# Altium PCB MB1261.PcbDoc (part 2 of 6)
Units mil, origin at the board's own origin, x right, y up, seen from the top; angles counter-clockwise.
Board outline 5119.1 x 2638.79 mil, 6 copper layers (TOP, L2_GND, L3_SIG, L4_VCC, L5_GND, BOTTOM), stack 61 mil thick; 336 components, 316 nets, 1358 pads, 871 vias.
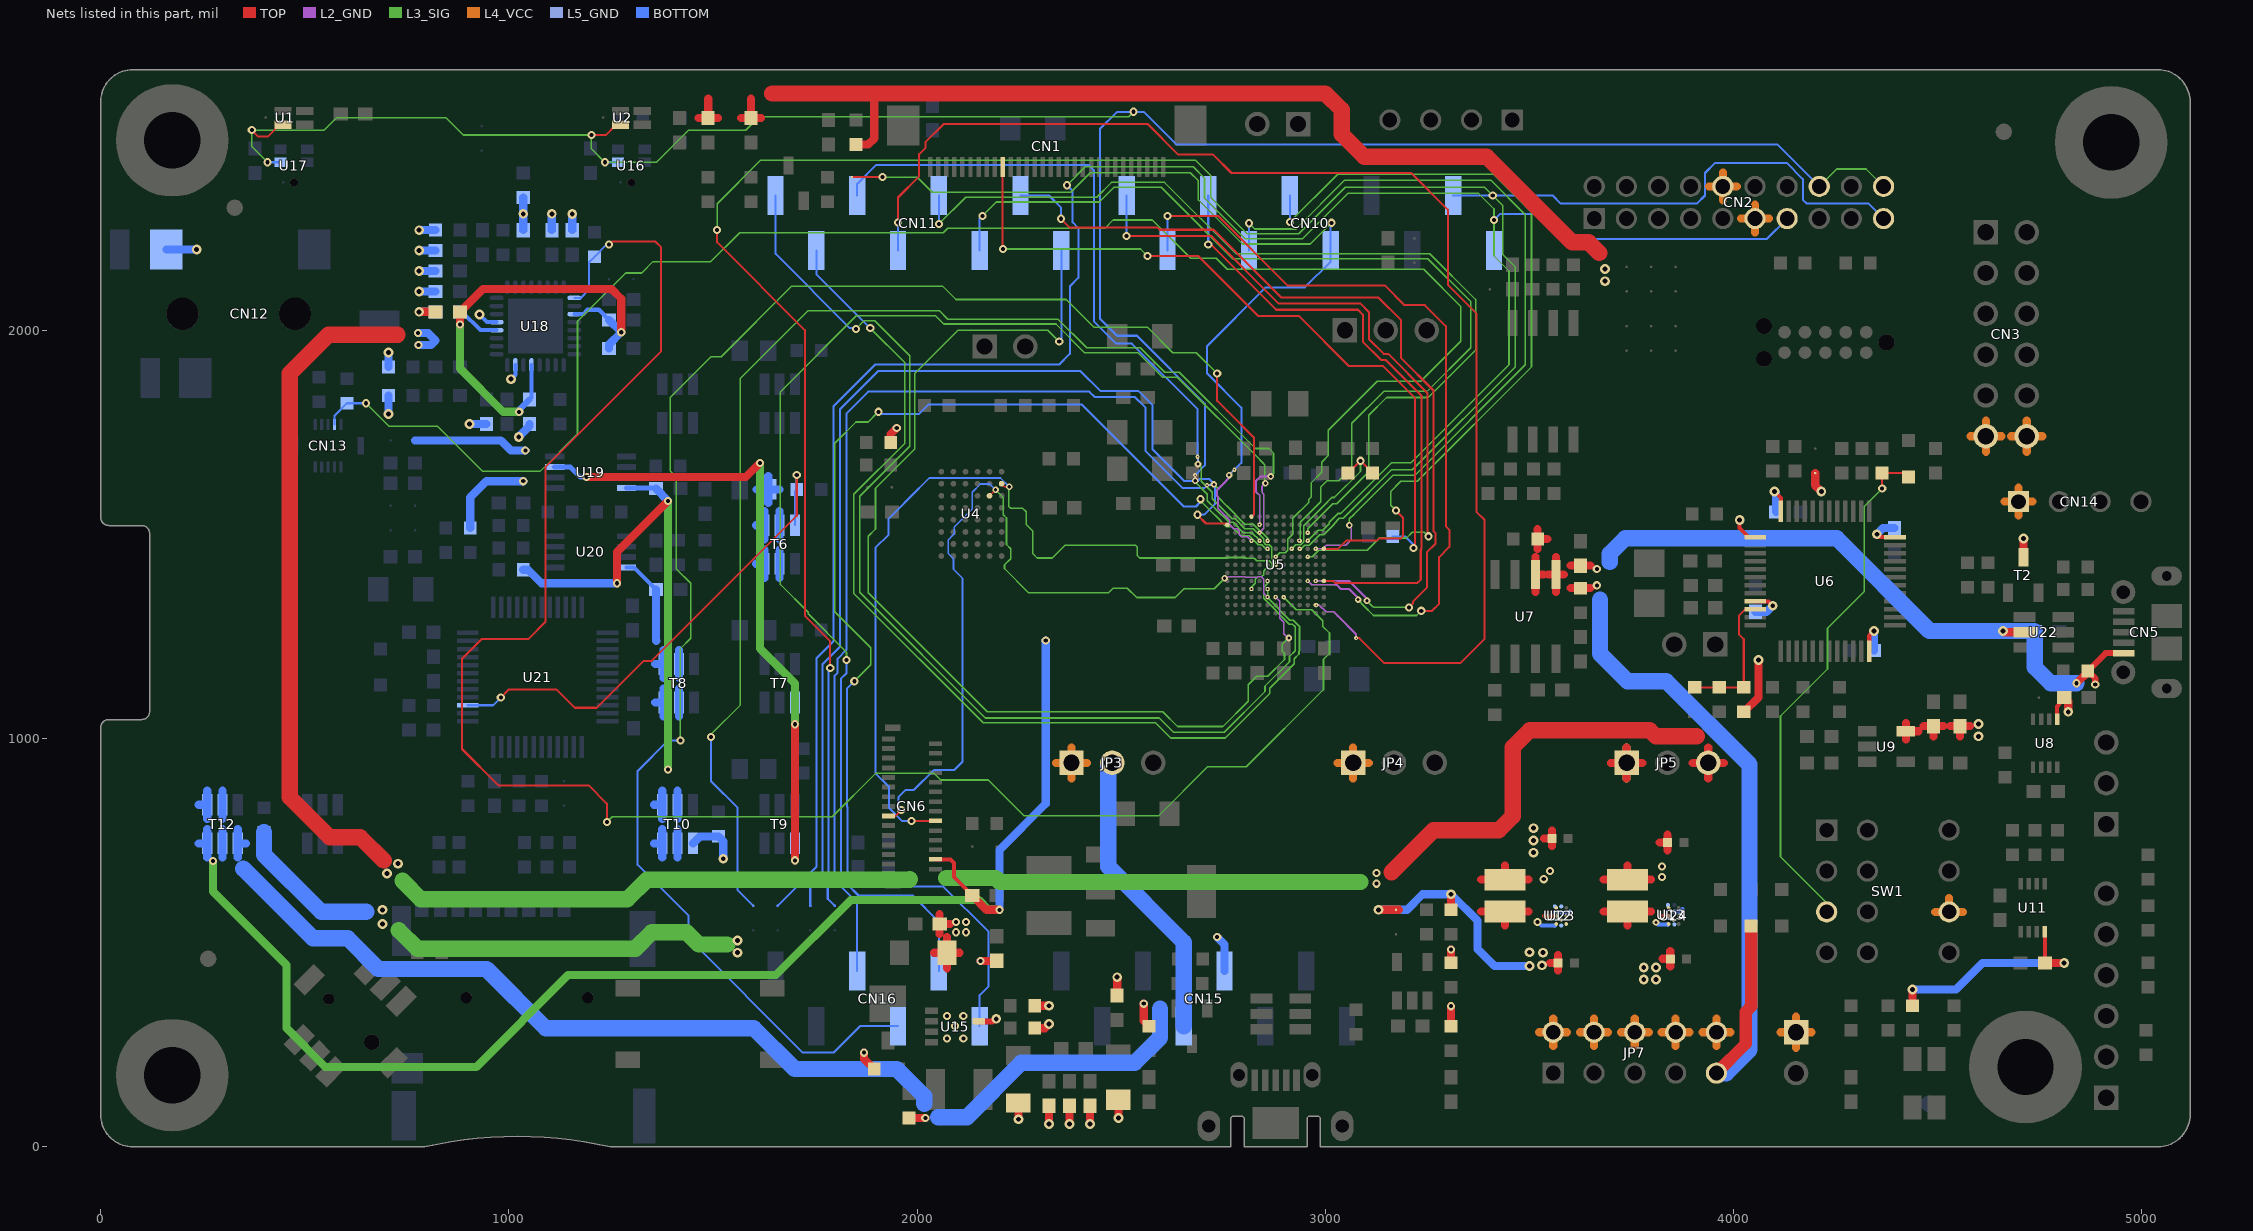
[diagram p6: the nets of this part, all layers, seen from the top]

## Footprints (in the part's own frame and the unit in brackets; to place one, negate y for a bottom-side part, rotate by r counter-clockwise, add the part's x,y. Pads: shape width x height; smd on the part's side, far side on the other; paste and mask are expansions set on the pad) (continued)
SOT23-6L [mil] "SOT23-6L"
  rect 25x53 smd: 1(-37.4,-47.24) 2(0,-47.24) 3(37.4,-47.24) 4(37.4,47.24) 5(0,47.24) 6(-37.4,47.24)
  silkscreen extent -75,-95 65,85, body extent -57,-75 57,75, height 150
SOT-23 [mil] "SOT-23"
  rect 25x45 smd: 1(-37.4,-43.31) 2(37.4,-43.31) 3(0,43.31)
  silkscreen extent -60,-35 60,35, body extent -60,-70 60,70, height 150
SOT-223 [mil] "SOT-223"
  rect 71x40 smd: 1(124.02,-90.55) 2(124.02,0) 3(124.02,90.55)
  rect 71x130 smd: 4(-124.02,0)
  silkscreen extent -75,-147 192,130, body extent -160,-128 160,128, height 150
SQT-110-01-F-D-RA [mil] "SQT-110-01-F-D-RA"
  rect 52x52 hole 36: 1(359.27,175)
  round 52 hole 36: 2(280.53,175) 3(201.79,175) 4(123.05,175) 5(44.31,175) 6(-34.43,175) 7(-113.17,175) 8(-191.91,175) 9(-270.65,175) 10(-349.39,175) 11(359.27,96.26) 12(280.53,96.26) 13(201.79,96.26) 14(123.05,96.26) 15(44.31,96.26) 16(-34.43,96.26) 17(-113.17,96.26) 18(-191.91,96.26) 19(-270.65,96.26) 20(-349.39,96.26)
  silkscreen extent -395,-204 405,186, body extent -402,-205 402,205, height 150
SSW-106-02-F-D-RA [mil] "SSW-106-02-F-D-RA"
  rect 60x60 / inner round 60 / far side rect 60x60 hole 40: 1(250,229.5)
  round 60 hole 40: 2(150,229.5) 3(50,229.5) 4(-50,229.5) 5(-150,229.5) 6(-250,229.5) 7(250,129.5) 8(150,129.5) 9(50,129.5) 10(-50,129.5) 11(-150,129.5) 12(-250,129.5)
  silkscreen extent -310,-266 320,243, body extent -310,-264 310,264, height 150
SSW-106-22-X-S-VS [mil] "SSW-106-22-X-S-VS"
  rect 40x95 smd: 1(250,67.5) 2(150,-67.5) 3(50,67.5) 4(-50,-67.5) 5(-150,67.5) 6(-250,-67.5)
  silkscreen extent -310,-47 310,149, body extent -310,-120 310,120, height 150
SSW-108-22-X-S-VS [mil] "SSW-108-22-X-S-VS"
  rect 40x95 smd: 1(350,67.5) 2(250,-67.5) 3(150,67.5) 4(50,-67.5) 5(-50,67.5) 6(-150,-67.5) 7(-250,67.5) 8(-350,-67.5)
  silkscreen extent -410,-47 414,152, body extent -410,-120 410,120, height 150
SSW-110-22-X-S-VS [mil] "SSW-110-22-X-S-VS"
  rect 40x95 smd: 1(450,67.5) 2(350,-67.5) 3(250,67.5) 4(150,-67.5) 5(50,67.5) 6(-50,-67.5) 7(-150,67.5) 8(-250,-67.5) 9(-350,67.5) 10(-450,-67.5)
  silkscreen extent -510,-47 510,153, body extent -510,-120 510,120, height 150
SW1_11R7X9R7-12R2X9R65-HDR_CPT [mil] "SW1_11R7X9R7-12R2X9R65-HDR_CPT"
  rect 52x52 hole 36: 1(-150,-150)
  round 52 hole 36: 2(-50,-150) 3(50,-150) 4(150,-150) 5(150,150) 6(50,150) 7(-50,150) 8(-150,150) " "(-150,-50) " "(-50,-50) " "(50,-50) " "(150,-50)
  TOP region: 24.02,-51.97 75.98,-51.97 75.98,151.97 24.02,151.97 24.02,-51.97
  TOP region: -75.98,-51.97 -24.02,-51.97 -24.02,151.97 -75.98,151.97 -75.98,-51.97
  TOP region: -175.98,-51.97 -124.02,-51.97 -124.02,151.97 -175.98,151.97 -175.98,-51.97
  TOP region: 124.02,-51.97 175.98,-51.97 175.98,151.97 124.02,151.97 124.02,-51.97
  silkscreen extent -240,-231 240,191, body extent -240,-191 240,191, height 150
TAN-A [mil] "TAN-A"
  rect 50x60 smd: 1(55,0) 2(-55,0)
  silkscreen extent -95,-45 105,45
TAN-B [mil] "TAN-B"
  rect 59x110 smd: 1(-67.5,0) 2(67.5,0)
  silkscreen extent -130,-65 110,65, body extent -100,-55 100,55, height 150
TC2050-IDC-NL [mil] "TC2050-IDC-NL"
  round 31 smd paste-50: 1(-100.2,-25) 2(-50.2,-25) 3(-0.2,-25) 4(49.8,-25) 5(99.8,-25) 6(99.8,25) 7(49.8,25) 8(-0.2,25) 9(-50.2,25) 10(-100.2,25)
  round 39 hole 39 unplated: " "(-150.2,0) " "(149.8,-39.96) " "(149.8,39.96)
  TOP pour cut-out: -100.2,18.9 -100.2,-14.9 99.8,-14.9 99.8,18.9 -100.2,18.9
  Multi-Layer pour cut-out: -150.2,-35.43 -163.76,-32.73 -175.25,-25.05 -182.93,-13.56 -185.63,0 -185.63,0 -182.93,13.56 -175.25,25.05 -163.76,32.73 -150.2,35.43 -150.2,35.43 -136.64,32.73 -125.15,25.05 -117.47,13.56 -114.77,0 -114.77,0 -117.47,-13.56 -125.15,-25.05 -136.64,-32.73 -150.2,-35.43
  Multi-Layer pour cut-out: 149.8,4.53 136.24,7.23 124.75,14.91 117.07,26.4 114.37,39.96 114.37,39.96 117.07,53.52 124.75,65.01 136.24,72.69 149.8,75.39 149.8,75.39 163.36,72.69 174.85,65.01 182.53,53.52 185.23,39.96 185.23,39.96 182.53,26.4 174.85,14.91 163.36,7.23 149.8,4.53
  Multi-Layer pour cut-out: 149.8,-75.39 136.24,-72.69 124.75,-65.01 117.07,-53.52 114.37,-39.96 114.37,-39.96 117.07,-26.4 124.75,-14.91 136.24,-7.23 149.8,-4.53 149.8,-4.53 163.36,-7.23 174.85,-14.91 182.53,-26.4 185.23,-39.96 185.23,-39.96 182.53,-53.52 174.85,-65.01 163.36,-72.69 149.8,-75.39
  silkscreen extent -245,-132 245,133, body extent -245,-133 245,133, height 150
USOP8_0R5_2X3R1 [mil] "USOP8_0R5_2X3R1"
  rect 11x28 smd mask+2: 1(-29.53,-59.06) 2(-9.84,-59.06) 3(9.84,-59.06) 4(29.53,-59.06) 5(29.53,59.06) 6(9.84,59.06) 7(-9.84,59.06) 8(-29.53,59.06)
  silkscreen extent -47,-106 40,30, body extent -40,-75 40,75, height 150
XTAL_2SM_3R2X1R5 [mil] "XTAL_2SM_3R2X1R5"
  rect 51x63 smd: 1(-45.78,-1) 2(44.78,-1)
  silkscreen extent -86,-46 84,44, body extent -72,-31 72,31, height 150
XTAL_2SM_3R2X2R5 [mil] "XTAL_2SM_3R2X2R5"
  rect 67x75 smd: 1(-49.21,0) 2(49.21,0)
  silkscreen extent -63,-49 63,49, body extent -85,-50 85,50, height 150

## Part data
B1: library part "SW PUSHBUTTON", "SE Push Button TD-0341 [RESET/Black]", Manuf_1=Chau-hua, Manuf_2=wealthmetal, Manuf_Part_1=CTSM-644N-V-T/R, Assembly="with Back cap", ECCN_US/EU=NA, Manuf_Part_2=TD-0341X-A00, Ordered by=Subcon, Silkscreen=RESET
B2: library part MT-008A, "Joystick", Manuf_1=XIEJIA, Assembly="with button", ECCN_US/EU=NA, Manuf_Part_1=MT008-A, Ordered by=Subcon, Silkscreen=Joystick
C1 C2 C4 C5 C7 C10 C12 C14 C15 C16 C17 C18 C21 C22 C24 C25 C26 C27 C28 C29 C30 C31 C33 C34 C44 C46 C51 C58 C59 C60 C66 C71 C72 C73 C80 C81 C82 C83 C85 C86 C87 C88 C89 C90 C92 C93 C94 C95 C96 C97 C98 C101 C102 C103 C104 C105: library part Cap, "Capacitor,100nF,10%,16V,X7R,0603,YAGEO", Manuf_1=YAGEO, Manuf_Part_1=CC0603KRX7R7BB104, Ordered by=Subcon, Published=8-Jun-2000, Publisher="Altium Limited", Revision="July-2002: Re-released for DXP Platform."
C3 C62 C63 C99: library part Cap, "Capacitor,100nF,10%,16V,X7R,0603,YAGEO", Manuf_1=YAGEO, Manuf_Part_1=CC0603KRX7R7BB104, Ordered by=Subcon, Published=8-Jun-2000, Publisher="Altium Limited", Revision="July-2002: Re-released for DXP Platform."
C6: library part "Cap Pol1", "TAN Capacitor,4.7uF,10%,16V,A Type,AVX", Manuf_1=AVX, ECCN_US/EU=NA, Manuf_Part_1=TAJA475K016R, Ordered by=Subcon, Published=8-Jun-2000, Publisher="Altium Limited", Revision="July-2002: Re-released for DXP Platform."
C8 C13 C91 C100: library part "Cap Pol1", "Tan Capacitor,1uF,10%,16V,Tan-A,TAJA105K016R", Manuf_1=AVX, ECCN_US/EU=NA, Manuf_Part_1=TAJA105K016R, Ordered by=Subcon, Published=8-Jun-2000, Publisher="Altium Limited", Revision="July-2002: Re-released for DXP Platform."
C9 C11: library part Cap, "Capacitor,5.6pF,0.25P,50V,NPO,0603", Manuf_1=YAGEO, Ordered by=Subcon, Published=8-Jun-2000, Publisher="Altium Limited", Revision="July-2002: Re-released for DXP Platform."
C19 C32 C35 C67 C69 C70 C74 C77 C78 C79 C84: library part Cap, "Capacitor,1uF,0603,16V,10%,X5R,YAGEO", Manuf_1=YAGEO, Manuf_Part_1=CC0603KRX5R7BB105, Ordered by=Subcon, Published=8-Jun-2000, Publisher="Altium Limited", Revision="July-2002: Re-released for DXP Platform."
C20 C23: library part Cap, "Capacitor,10pF,5%,50V,NPO,0603,YAGEO", Manuf_1=YAGEO, Manuf_Part_1=CC0603JRNPO9BN100, Ordered by=Subcon, Published=8-Jun-2000, Publisher="Altium Limited", Revision="July-2002: Re-released for DXP Platform."
C36 C47 C57: library part Cap, "Capacitor,10nF,0603,50V,10%,X7R,YAGEO;", Manuf_1=YAGEO, Manuf_Part_1=CC0603KRX7R9BB103, Ordered by=Subcon, Published=8-Jun-2000, Publisher="Altium Limited", Revision="July-2002: Re-released for DXP Platform."
C37 C55 C61: library part "Cap Pol1", "TAN Capacitor,10uF,10%,16V,A Type,AVX", Manuf_1=AVX, ECCN_US/EU=NA, Manuf_Part_1=TAJA106K016R, Ordered by=Subcon, Published=8-Jun-2000, Publisher="Altium Limited", Revision="July-2002: Re-released for DXP Platform."
C40 C41 C42 C43: library part Cap, "Capacitor,10uF,0402,GRM155R60J106ME11", Manuf_1=Murata, Manuf_Part_1=GRM155R60J106ME11, Ordered by=Subcon, Published=8-Jun-2000, Publisher="Altium Limited", Revision="July-2002: Re-released for DXP Platform."
C45: library part "Cap Pol1", "Tan Capacitor,10uF,10%,25V,Tan-B,TAJB106K025RNJ", Manuf_1=AVX, ECCN_US/EU=NA, Manuf_Part_1=TAJB106K025RNJ, Ordered by=Subcon, Published=8-Jun-2000, Publisher="Altium Limited", Revision="July-2002: Re-released for DXP Platform."
C48: library part CAP, "Capacitor,4.7uF,50V,X7R,10%,1206", Manuf_1=YAGEO, ECCN_US/EU=NA, Manuf_Part_1=CC1206KKX7R9BB475, Ordered by=Subcon, Published=8-Jun-2000, Publisher="Altium Limited", Revision="July-2002: Re-released for DXP Platform."
C54: library part Cap, "Capacitor,4.7uF,16V, X5R,10%,0603", Manuf_1=YAGEO, Manuf_Part_1=CC0603KRX5R7BB475, Ordered by=Subcon, Published=8-Jun-2000, Publisher="Altium Limited", Revision="July-2002: Re-released for DXP Platform."
C56: library part "Cap Pol1", "Capacitor,4.7uF,±10%,X7R,10V,1206,GRM31CR71A475KA01L", Manuf_1=Murata, ECCN_US/EU=NA, Manuf_Part_1=GRM31CR71A475KA01L, Ordered by=Subcon, Published=8-Jun-2000, Publisher="Altium Limited", Revision="July-2002: Re-released for DXP Platform."
C64 C65: library part Cap, "Capacitor,150pF,0603,50V,5%,NPO", Manuf_1=YAGEO, ECCN_US/EU=NA, Manuf_Part_1=CC0603JRNPO9BN151, Ordered by=Subcon, Published=8-Jun-2000, Publisher="Altium Limited", Revision="July-2002: Re-released for DXP Platform."
C68: library part Cap, "Capacitor,10uF,10%,10V,X5R,0603,C1608X5R1A106KT000E", Manuf_1=TDK, ECCN_US/EU=NA, Manuf_Part_1=C1608X5R1A106KT000E, Ordered by=Subcon, Published=8-Jun-2000, Publisher="Altium Limited", Revision="July-2002: Re-released for DXP Platform."
C75 C76: library part Cap, "Capacitor,22nF,10%,25V,X7R,0603", Manuf_1=YAGEO, ECCN_US/EU=NA, Manuf_Part_1=CC0603KRX7R8BB223, Ordered by=Subcon, Published=8-Jun-2000, Publisher="Altium Limited", Revision="July-2002: Re-released for DXP Platform."
CN1: "TOWNES -  Connector FFC/FPC ZIF 0.5mm 30 pins, Lower Contacts", Manuf_1=TOWNES, Manuf_Part_2=TFP-A330ZH-BT1-ECX, Distrib="Sub Co", ECCN_US/EU=n/a, Manuf_2=TOWNES, Manuf_Part_1=FPU330ZH-BT1D3-CA, Ordered by=Subcon
CN2: library part "Header 10X2A", "Header, 10-Pin, Dual row", Manuf_1=ATOM, Manuf_Part_1=FH200210C-12000, Ordered by=Subcon
CN3: library part "Header 6X2A", "Header, 6-Pin, Dual row", Manuf_1=ATOM, Manuf_Part_1=FH254206C-1600, Ordered by=Subcon
CN4: "Footprint for TC2050-IDC-430 plug of nails (TM) cable for MP430", Manuf_1=None, Manuf_Part_1=None, Revision="17-Jul-2002: Re-released for DXP Platform."
CN5 CN8: Manuf_1=MOLEX, ECCN_US/EU=NA, Ordered by=Subcon
  CN5: Manuf_Part_1=1050170001, Silkscreen=USB
  CN8: Manuf_Part_1=475900001, Silkscreen=USB_USER
CN6: "29pins FPC connector", Manuf_1=Hirose, ECCN_US/EU=NA, Manuf_Part_1=FH26-29S-0.3SHW, Ordered by=Subcon
CN7: library part "Header 6", "Header, 6-Pin", Manuf_1=lyconn, ECCN_US/EU=NA, LatestRevisionDate=17-Jul-2002, LatestRevisionNote="Re-released for DXP Platform.", Manuf_Part_1=313106S111116, Ordered by=Subcon, Publisher="Altium Limited", Silkscreen=SWD
CN9 CN14: library part "Header 4", "Header, 4-Pin", ECCN_US/EU=[N/A], Publisher="Altium Limited", Revision="17-Jul-2002: Re-released for DXP Platform.", SOFER_FP=HDR_1X4_2R54
  CN9: Ordered by=Subcon
CN10: library part "Header 10X1_Female", "Header, 10-Pin, Single row,female", Manuf_1=SAMTEC, ECCN_US/EU=NA, LatestRevisionDate=17-Jul-2002, LatestRevisionNote="Re-released for DXP Platform.", Manuf_Part_1=SSW-110-22-X-S-VS, Ordered by=Subcon, Publisher="Altium Limited"
CN11 CN15: library part "Header 8X1_Female", "Header, 8-Pin, Single row,female", Manuf_1=SAMTEC, ECCN_US/EU=NA, LatestRevisionDate=17-Jul-2002, LatestRevisionNote="Re-released for DXP Platform.", Manuf_Part_1=SSW-108-22-X-S-VS, Ordered by=Subcon, Publisher="Altium Limited"
CN12: Manuf_1=QIAOD, ECCN_US/EU=NA, Manuf_Part_1=PJ3028B-3, Ordered by=Subcon, Silkscreen=AUDIO_JACK
CN13: library part "Header 5X2A", "Header, 5-Pin, Dual row", Manuf_1=Hirose, ECCN_US/EU=NA, LatestRevisionDate=17-Jul-2002, LatestRevisionNote="Re-released for DXP Platform.", Manuf_Part_1="DF37NB-10DS-0.4V (5x)", Ordered by=Subcon, Publisher="Altium Limited"
CN16: library part "Header 6X1_Female", "Header, 6-Pin, Single row,female", Manuf_1=SAMTEC, ECCN_US/EU=NA, LatestRevisionDate=17-Jul-2002, LatestRevisionNote="Re-released for DXP Platform.", Manuf_Part_1=SSW-106-22-X-S-VS, Ordered by=Subcon, Publisher="Altium Limited"
CN17: library part SMS016AFA5E, Manuf_1=Yamaichi, ECCN_US/EU=NA, Manuf_Part_1=PJS008-2000, Ordered by=Subcon, Silkscreen=uSD
D1 D3 D6 U22: Manuf_1=STM, Ordered by=STM
  D1 D3 D6: Distrib=ST, ECCN_US/EU=EAR99/NEC, Manuf_Part_1=BAT60JFILM, Order=BAT60JFILM, Provided=STM, Ref St=9151097, Revision="July-2002: Re-released for DXP Platform."
  U22: Manuf_Part_1=USBLC6-2SC6
D2 D4: library part BAT60JFILM, "BAT60JFILM", Manuf_1=STM, ECCN_US/EU=EAR99/NEC, Manuf_Part_1=BAT60JFILM, Order=BAT60JFILM, Ordered by=STM, Provided=STM, Ref St=9151097, Revision="July-2002: Re-released for DXP Platform."
  D2: Distrib=ST
  D4: Distrib=STM
D5: "4-line ESD protection", Manuf_1=STM, Manuf_Part_1=ESDA5V3L, Distrib=ST, ECCN_US/EU=EAR99/NEC, Order=ESDA5V3L, Ordered by=STM, Provided=ST, Ref St=9179034
JP1: library part JP2, "2 PIN Jumper", Manuf_1=lyconn, Manuf_Part_1=313102S111116, Assembly="with jumper", ECCN_US/EU=[N/A], Ordered by=Subcon
JP2: library part Jumper3, "Jumper 3 pins", Manuf_1=lyconn, Manuf_Part_1=313103S111116, ECCN_US/EU=n/a, Ordered by=Subcon
JP3 JP5 JP6: library part Jumper3, Manuf_1=lyconn, Manuf_Part_1=313103S111116, Ordered by=Subcon
  JP3 JP5: ECCN_US/EU=NA, Silkscreen="+3V3: pins 1&2 +1V8: pins 2&3"
JP4: Manuf_1=lyconn, Manuf_Part_1=313103S111116, ECCN_US/EU=NA, Ordered by=Subcon
JP7: library part "Header 5X2M", "Pin Header male,2.54mm,2*5,L=11.6,180,1U,DIP", Manuf_1=Lyconn, Distrib="Sub Co", ECCN_US/EU=n/a, Ordered by=Subcon, SOFER_FP=HDR_2X5_2R54
JP8 JP9 JP10: library part JP2, Manuf_1=lyconn, Manuf_Part_1=313102S111116, Assembly="with jumper", ECCN_US/EU=NA, Ordered by=Subcon
L1 L4 L5 L6: library part Inductor, "100uH Bead", Manuf_1=Tai-tech, ECCN_US/EU=NA, Manuf_Part_1=FCM1608KF-601T03, Ordered by=Subcon, Published=8-Jun-2000, Publisher="Altium Limited", Revision="July-2002: Re-released for DXP Platform."
L2 L3: library part Inductor, "Inductor", Manuf_1=TDK, Manuf_Part_1=VLS252010HBX-2R2M-1, ECCN_US/EU=NA, Ordered by=Subcon, Published=8-Jun-2000, Publisher="Altium Limited", Revision="July-2002: Re-released for DXP Platform."
L7: library part Inductor, "IND,4.7uH,1A,1210,LQH32PN4R7NN0L", Manuf_1=Murata, ECCN_US/EU=NA, Manuf_Part_1=LQH32PN4R7NN0L, Ordered by=Subcon, Published=8-Jun-2000, Publisher="Altium Limited", Revision="July-2002: Re-released for DXP Platform."
L8: library part BEAD_600R_350MA_0603, "Bead,600R,350mA,0603,FCM1608KF-601T03,Tai-tech", Manuf_1=Tai-tech, Manuf_2=TDK, Manuf_Part_2=MPZ1608S300A, Comment_1=bead,30R,5A,0603,MPZ1608S300A,TDK, Manuf_Part_1=FCM1608KF-601T03, Order=FCM1608KF-601T03, Ordered by=Subcon, Revision="July-2002: Re-released for DXP Platform."
LD1: library part LED2, "LED,Orange,0603", Manuf_1=Everlight, Corlor=Orange, ECCN_US/EU=EAR99/NEC, Manuf_Part_1=19-217/S2C-AM2N2VY/3T, Ordered by=Subcon, Published=8-Jun-2000, Publisher="Altium Limited", Revision="July-2002: Re-released for DXP Platform."
LD2 LD3 LD6 LD8: library part LED2, "LED,Green,0603", Manuf_1=Everlight, Corlor=Green, ECCN_US/EU=EAR99/NEC, Manuf_Part_1=19-213SY6C/S530-E2/TR8LED, Ordered by=Subcon, Published=8-Jun-2000, Publisher="Altium Limited", Revision="July-2002: Re-released for DXP Platform."
  LD8: Silkscreen=PWR
LD4 LD7: library part LED2, "LED, Red ,0603", Manuf_1=Everlight, Corlor=Red, ECCN_US/EU=EAR99/NEC, Manuf_Part_1=19-217/R6C-AL1M2VY/3T, Ordered by=Subcon, Published=8-Jun-2000, Publisher="Altium Limited", Revision="July-2002: Re-released for DXP Platform."
  LD4: Silkscreen=Fault
LD5: library part LD_BICOLOR_CMS, "Bicolor Led", Manuf_1="Avago Technologies", Manuf_2=everluck, Manuf_Part_2=LE-RGW35280, Distrib=RADIOSPARES, ECCN_US/EU=EAR99/NEC, Manuf_Part_1=HSMF-A201-A00J1, Ordered by=Subcon, Silkscreen=COM
R1: library part res1, "Resistor,680R,0603,1%,YAGEO", Manuf_1=YAGEO, ECCN_US/EU=NA, Manuf_Part_1=RC0603FR-07680RL, Ordered by=Subcon, Published=8-Jun-2000, Publisher="Altium Limited", Revision="July-2002: Re-released for DXP Platform."
R2 R112: library part res1, "Resistor,510R,0603,1%,YAGEO", Manuf_1=YAGEO, ECCN_US/EU=NA, Manuf_Part_1=RC0603FR-07510RL, Ordered by=Subcon, Published=8-Jun-2000, Publisher="Altium Limited", Revision="July-2002: Re-released for DXP Platform."
R4 R5 R16 R25 R35 R56 R59 R60 R63 R66 R69 R71 R102: library part res1, "Resistor, 100 ,0603,1%,YAGEO", Manuf_1=YAGEO, ECCN_US/EU=NA, Manuf_Part_1=RC0603JR-07100RL, Ordered by=Subcon, Published=8-Jun-2000, Publisher="Altium Limited", Revision="July-2002: Re-released for DXP Platform."
R6 R7 R8 R26 R28 R29 R100: library part res1, "Resistor, 22 ,0603,1%,YAGEO", Manuf_1=YAGEO, ECCN_US/EU=NA, Manuf_Part_1=RC0603JR-0722RL, Ordered by=Subcon, Published=8-Jun-2000, Publisher="Altium Limited", Revision="July-2002: Re-released for DXP Platform."
R12 R18 R130: library part res1, "Resistor, 0 ,0603,1%,YAGEO", Manuf_1=YAGEO, Manuf_Part_1=RC0603JR-070RL, ECCN_US/EU=NA, Ordered by=Subcon, Published=8-Jun-2000, Publisher="Altium Limited", Revision="July-2002: Re-released for DXP Platform."
R13 R14 R15 R17 R20 R33 R48 R52 R53 R54 R73 R76 R81 R84 R94 R106 R109 R110 R115 R116 R117: library part res1, "Resistor,100K,0603,1%,YAGEO", Manuf_1=YAGEO, ECCN_US/EU=NA, Manuf_Part_1=RC0603FR-07100KL, Ordered by=Subcon, Published=8-Jun-2000, Publisher="Altium Limited", Revision="July-2002: Re-released for DXP Platform."
R21 R31 R41 R77 R89 R99 R104: library part res1, "Resistor,100K,0603,1%,YAGEO", Manuf_1=YAGEO, Manuf_Part_1=RC0603FR-07100KL, Ordered by=Subcon, Published=8-Jun-2000, Publisher="Altium Limited", Revision="July-2002: Re-released for DXP Platform."
  R21 R77 R89 R99 R104: ECCN_US/EU=NA
  R31 R41: ECCN_US/EU=[N/A]
R22 R45 R49: library part res1, "Resistor,4.7K,0603,1%,YAGEO", Manuf_1=YAGEO, ECCN_US/EU=NA, Manuf_Part_1=RC0603FR-074K7L, Ordered by=Subcon, Published=8-Jun-2000, Publisher="Altium Limited", Revision="July-2002: Re-released for DXP Platform."
R23: library part res1, "Resistor,2.7K,0603,1%,YAGEO", Manuf_1=YAGEO, ECCN_US/EU=NA, Manuf_Part_1=RC0603FR-072K7L, Ordered by=Subcon, Published=8-Jun-2000, Publisher="Altium Limited", Revision="July-2002: Re-released for DXP Platform."
R24: library part Res_0_5%_0402, "Resistor,0,0603,5%,YAGEO", Manuf_1=YAGEO, Manuf_Part_1=RC0603JR-070RL, Distrib=FARNELL, ECCN_US/EU=[N/A], Ordered by=Subcon
R27 R30 R32 R44 R78 R83 R91 R113: library part res1, "Resistor,10K,0603,1%,YAGEO", Manuf_1=YAGEO, ECCN_US/EU=NA, Manuf_Part_1=RC0603FR-0710KL, Ordered by=Subcon, Published=8-Jun-2000, Publisher="Altium Limited", Revision="July-2002: Re-released for DXP Platform."
R34: library part res1, "Resistor,36K,0603,1%,YAGEO", Manuf_1=YAGEO, ECCN_US/EU=NA, Manuf_Part_1=RC0603FR-0736KL, Ordered by=Subcon, Published=8-Jun-2000, Publisher="Altium Limited", Revision="July-2002: Re-released for DXP Platform."
R36 R68: library part res1, "Resistor", Manuf_1=YAGEO, Manuf_Part_1=RC0603FR-07820RL, ECCN_US/EU=NA, Ordered by=Subcon, Published=8-Jun-2000, Publisher="Altium Limited", Revision="July-2002: Re-released for DXP Platform."
R37 R42 R43: library part res1, "Resistor,1.5K,0603,1%,YAGEO", Manuf_1=YAGEO, ECCN_US/EU=NA, Manuf_Part_1=RC0603FR-071K5L, Ordered by=Subcon, Published=8-Jun-2000, Publisher="Altium Limited", Revision="July-2002: Re-released for DXP Platform."
R46 R47 R51 R55 R57 R70 R80 R93 R105 R114 R129: library part res1, "Resistor, 0 ,0603,1%,YAGEO", Manuf_1=YAGEO, ECCN_US/EU=NA, Manuf_Part_1=RC0603JR-070RL, Ordered by=Subcon, Published=8-Jun-2000, Publisher="Altium Limited", Revision="July-2002: Re-released for DXP Platform."
R50 R82: library part res1, "Resistor,2.2K,0603,1%,YAGEO", Manuf_1=YAGEO, ECCN_US/EU=NA, Manuf_Part_1=RC0603FR-072K2L, Ordered by=Subcon, Published=8-Jun-2000, Publisher="Altium Limited", Revision="July-2002: Re-released for DXP Platform."
R58 R62 R64: library part res1, "Resistor, 47K,0603,1%,YAGEO", Manuf_1=YAGEO, ECCN_US/EU=NA, Manuf_Part_1=RC0603JR-0747KL, Ordered by=Subcon, Published=8-Jun-2000, Publisher="Altium Limited", Revision="July-2002: Re-released for DXP Platform."
R65: library part res1, "Resistor, 10K,0603,1%,YAGEO", Manuf_1=YAGEO, ECCN_US/EU=NA, Manuf_Part_1=RC0603JR-0710KL, Ordered by=Subcon, Published=8-Jun-2000, Publisher="Altium Limited", Revision="July-2002: Re-released for DXP Platform."
R67: library part res1, "Resistor,10R,0603,1%,YAGEO", Manuf_1=YAGEO, ECCN_US/EU=NA, Manuf_Part_1=RC0603FR-0710RL, Ordered by=Subcon, Published=8-Jun-2000, Publisher="Altium Limited", Revision="July-2002: Re-released for DXP Platform."
R72: library part res1, "Resistor,1K,0603,1%", Manuf_1=YAGEO, Manuf_Part_1=RC0603FR-071KL, ECCN_US/EU=NA, Ordered by=Subcon, Published=8-Jun-2000, Publisher="Altium Limited", Revision="July-2002: Re-released for DXP Platform."
R74: library part res1, "Resistor, 330R , 0603,1%,YAGEO", Manuf_1=YAGEO, ECCN_US/EU=NA, Manuf_Part_1=RC0603JR-07330RL, Ordered by=Subcon, Published=8-Jun-2000, Publisher="Altium Limited", Revision="July-2002: Re-released for DXP Platform."
R75: library part res1, "Resistor, 620R , 0603,1%,YAGEO", Manuf_1=YAGEO, ECCN_US/EU=NA, Manuf_Part_1=RC0603JR-07620RL, Ordered by=Subcon, Published=8-Jun-2000, Publisher="Altium Limited", Revision="July-2002: Re-released for DXP Platform."
R79: library part res1, "Resistor,10K,0603,1%,YAGEO", Manuf_1=YAGEO, Manuf_Part_1=RC0603FR-0710KL, ECCN_US/EU=[N/A], Ordered by=Subcon, Published=8-Jun-2000, Publisher="Altium Limited", Revision="July-2002: Re-released for DXP Platform."
R85: library part Res_1_1%_0805, "Resistor,1,0805,1%,YAGEO", Manuf_1=YAGEO, Manuf_Part_1=RC0805FR-071RL, ECCN_US/EU=n/a, Order=RC0805FR-071RL, Ordered by=Subcon
R86 R90: library part res1, "Resistor,50R,0603,1%,YAGEO", Manuf_1=YAGEO, ECCN_US/EU=NA, Manuf_Part_1=RC0603FR-0750RL, Ordered by=Subcon, Published=8-Jun-2000, Publisher="Altium Limited", Revision="July-2002: Re-released for DXP Platform."
R87 R88: library part res1, "Resistor,1.5K,0603,1%,YAGEO", Manuf_1=YAGEO, Manuf_Part_1=RC0603FR-071K5L, ECCN_US/EU=NA, Ordered by=Subcon, Published=8-Jun-2000, Publisher="Altium Limited", Revision="July-2002: Re-released for DXP Platform."
R92 R96: library part res1, "Resistor,6.04K,0603,1%,YAGEO", Manuf_1=YAGEO, ECCN_US/EU=NA, Manuf_Part_1=RC0603FR-076K04L, Ordered by=Subcon, Published=8-Jun-2000, Publisher="Altium Limited", Revision="July-2002: Re-released for DXP Platform."
R95: library part Res_10K_1%_0805, "Resistor,10K,0805,1%,YAGEO", Manuf_1=YAGEO, Manuf_Part_1=RC0805FR-0710KL, ECCN_US/EU=n/a, Order=RC0805FR-0710KL, Ordered by=Subcon
R97 R103: library part res1, "Resistor,300K,0603,1%,YAGEO", Manuf_1=YAGEO, ECCN_US/EU=NA, Manuf_Part_1=RC0603FR-07300KL, Ordered by=Subcon, Published=8-Jun-2000, Publisher="Altium Limited", Revision="July-2002: Re-released for DXP Platform."
R98: library part res1, "Resistor,11K,0603,1%,YAGEO", Manuf_1=YAGEO, ECCN_US/EU=NA, Manuf_Part_1=RC0603FR-0711KL, Ordered by=Subcon, Published=8-Jun-2000, Publisher="Altium Limited", Revision="July-2002: Re-released for DXP Platform."
R101: library part res1, "Resistor,357K,0603,1%,YAGEO", Manuf_1=YAGEO, ECCN_US/EU=NA, Manuf_Part_1=RC0603FR-07357KL, Ordered by=Subcon, Published=8-Jun-2000, Publisher="Altium Limited", Revision="July-2002: Re-released for DXP Platform."
R107: library part Res_24_1%_0805, "Resistor,24,0805,1%,YAGEO", Manuf_1=YAGEO, Manuf_Part_1=RC0805FR-0724RL, ECCN_US/EU=n/a, Order=RC0805FR-0724RL, Ordered by=Subcon
R111: library part Res_620_1%_0805, "Resistor,620,0805,1%,YAGEO", Manuf_1=YAGEO, Manuf_Part_1=RC0805FR-07620RL, ECCN_US/EU=n/a, Order=RC0805FR-07620RL, Ordered by=Subcon
R118 R119 R120 R121 R122: library part res1, "Resistor,47K,0603,1%,YAGEO", Manuf_1=YAGEO, Manuf_Part_1=RC0603FR-0747KL, ECCN_US/EU=NA, Ordered by=Subcon, Published=8-Jun-2000, Publisher="Altium Limited", Revision="July-2002: Re-released for DXP Platform."
R123: library part res1, "Resistor, 510R , 0603,1%,YAGEO", Manuf_1=YAGEO, ECCN_US/EU=NA, Manuf_Part_1=RC0603JR-07510RL, Ordered by=Subcon, Published=8-Jun-2000, Publisher="Altium Limited", Revision="July-2002: Re-released for DXP Platform."
R124: library part res1, "Resistor, 1M , 0603", ECCN_US/EU=NA, Ordered by=Subcon, Published=8-Jun-2000, Publisher="Altium Limited", Revision="July-2002: Re-released for DXP Platform."
SB1 SB3 SB6 SB7 SB8 SB12 SB13 SB14 SB16 SB17 SB18 SB19 SB20 SB21 SB24 SB26 SB28: library part SB_ON, Manuf_1=YAGEO, Manuf_Part_1=RC0603JR-070RL, ECCN_US/EU=N/A, Ordered by=Subcon, Revision="July-2002: Re-released for DXP Platform.", Solder=YES
SB2 SB4 SB5 SB9 SB11 SB15 SB22 SB25 SB27: library part SB_OFF, ECCN_US/EU=N/A, Revision="July-2002: Re-released for DXP Platform.", Solder=NO
SW1: "Gold Plated Contacts,4PST,1x4 Switch", Manuf_1="Grayhill Inc", Manuf_Part_1=EDG-501S, Ordered by=Subcon, Second Source=NDS-04-V
T1: library part 2N7000, Manuf_1=NXP, ECCN_US/EU=N/A, Manuf_Part_1=BSN20BK, Ordered by=Subcon
T2 T3: library part NPN, "NPN Bipolar Transistor", Manuf_Part_1=MMBT9013, Code - JEDEC=TO-226-AA, ECCN_US/EU=EAR99/NEC, Ordered by=Subcon, Published=8-Jun-2000, Publisher="Altium Limited", Revision="July-2002: Re-released for DXP Platform."
T4 T5 T6 T7 T8 T9 T10 T11 T12: "STripFET VII DeepGATE Power MOSFET, P-CHANNEL 20 V, 0.0146, 7 A - SOT23-6L", Manuf_1=STM, Distrib=ST, ECCN_US/EU=EAR99/NEC, Manuf_Part_1=STT7P2UH7, Order=STT7P2UH7, Ordered by=STM, Provided=ST, Ref St=xxxxxxxx
  T4: Comments="exclusive with T8"
  T5 T6 T8 T10 T11 T12: Comments="exclusive with T2"
  T7: Comments="exclusive with T3"
  T9: Comments="exclusive with T4"
U1 U2: library part MP34DT01TR, "MEMS audio sensor", Manuf_1=STM, ECCN_US/EU=EAR99/NEC, Manuf_Part_1=MP34DT01TR-M, Ordered by=STM, Publisher="Altium Limited", Ref St=9188008, Revision="17-Jul-2002: Re-released for DXP Platform."
U3: "Ultra Low Power 64M-BIT CMOS MXSMIO FLASH MEMORY", Manuf_1=MXIC, Manuf_Part_1=MX25R6435FM2IL0, Ordered by=Subcon
U4: "8M Bit static RAMs organized as 512K words by  16 bits.", Manuf_1=ISSI, Manuf_Part_1=IS66WV51216EBLL-70BLI, Ordered by=STM
U5: library part STM32L496G, Manuf_1=STM, ECCN_US/EU=3A991A2/NEC, Manuf_Part_1=STM32L496AG, Ordered by=STM, Ref St=TBD
U6: library part STM32F10x(48pin), "IC,STM32F103CBT6,LQFP-48", Manuf_1=STM, Distrib=ST, ECCN_US/EU=3A991A2/NEC, Manuf_Part_1=STM32F103CBT6, Ordered by=STM, Ref St=9175111
U7: Manuf_1=ST, Manuf_Part_1=ST890CDR, Ordered by=STM
U8 U11: Manuf_1=TI, ECCN_US/EU=EAR99/NEC, Manuf_Part_1=SN74LVC2T45DCUT, Ordered by=Subcon
U9: "Ultra low drop-low noise BiCMOS voltage, regulators low ESR capacitors compatible", Manuf_1=STM, Manuf_Part_2=LDK120DM33R, Distrib=STM, ECCN_US/EU=EAR99/NEC, Manuf_2=STM, Manuf_Part_1=LD3985M33R, Order=LD3985M33R, Ordered by=STM, Provided=STM, Ref St=9176161
U10: library part LD1117S18TR, "Adjustable and fixed low drop positive voltage regulator", Manuf_1=STM, Manuf_Part_1=LD1117S50TR, Ordered by=STM
U12 U13: "High Efficiency Buck Converter", Manuf_1=TI, ECCN_US/EU=N/A, Manuf_Part_1=TPS62743, Ordered by=Subcon
U14: "Enhanced single channel power switches", Manuf_1=ST, Distrib=ST, ECCN_US/EU=EAR99/NEC, Manuf_Part_1=STMPS2141STR, Order=STMPS2141STR, Ordered by=STM, Provided=ST, Ref St=9159003
U15: library part STLD40DPMR, Manuf_1=ST, ECCN_US/EU=EAR99/NEC, Manuf_Part_1=STLD40DPUR, Ordered by=STM, Ref St=9176009
U16 U17: library part MP23DB01MM, "MEMS micro", Manuf_1=STM, ECCN_US/EU=EAR99/NEC, Fitted=NO, Manuf_Part_1=MP23DB01MM, Ordered by=STM, Publisher=STM, Ref St=9188010
U18: "Low-Power, Stereo Codec with Headphone Amp", Manuf_1=Cirrus, Manuf_Part_1=CS42L51-CNZ, Ordered by=Subcon
U19 U20: "Very high accuracy (5 ?) zero drift 5 V dual OpAmp", Manuf_1=STM, Distrib=ST, ECCN_US/EU=EAR99/NEC, Manuf_Part_1=TSZ122IST, Order=TSZ122IST, Ordered by=STM, Provided=ST, Ref St=xxxxxxxxx
U21: library part MFX, "Multifunction expander", Manuf_1=STM, Manuf_Part_1=STM32L152CCT6, Ordered by=STM
U23 U24: "400mA NanoQuiescent Step Down converter", Manuf_1=STM, Manuf_Part_1=ST1PS01EJR, Ordered by=STM
X1: library part CRYSTAL_32K, "32.768kHz Crystal", Manuf_1=NDK, Manuf_Part_1=NX3215SA-32.768KHZ-EXS00A-MU00525, ECCN_US/EU=EAR99/NEC, Ordered by=STM, Ref St=9157034
X2: library part XTAL_8M_NX3225GD, "Crystal 8Mhz, 8pF, -+50PPM, SMD", Manuf_1=NDK, Manuf_Part_1="NX3225GD 8MHz EXS00A-CG04874", Manuf_Part_2=NX3225GD-8.000M-STD-CRA-3, ECCN_US/EU=EAR99/NEC, NDK Ref=X3127326, Order="NX3225GD 8MHz EXS00A-CG04874", Ordered by=STM, Provided=ST, Ref St=9157029
Z1: library part "D Schottky", "Schottky Diode", Manuf_1=STM, Code - JEDEC=DO-214-AA, ECCN_US/EU=EAR99/NEC, Manuf_Part_1=STPS1L40M, Ordered by=STM, Published=8-Jun-2000, Publisher="Altium Limited", Ref St=9151085, Revision="July-2002: Re-released for DXP Platform."

## Free pads (board coordinates)
  round 40 smd far side mask+40: 1(263.1,460) 1(4662.1,2486) ""(4478.1,105)
  round 40 smd mask+40: ""(263.1,460) ""(328.1,2300) ""(4662.1,2486)

## Via types
v1: diameter 20, hole 10, TOP to BOTTOM, tented both sides, 317 vias
v2: diameter 24, hole 12, TOP to BOTTOM, tented both sides, 289 vias
v3: diameter 10, hole 4, TOP to L2_GND, tented both sides, 76 vias
v4: diameter 10, hole 4, TOP to L3_SIG, tented both sides, 63 vias
v5: diameter 16, hole 8, L2_GND to L5_GND, tented both sides, 52 vias
v6: diameter 16, hole 8, TOP to BOTTOM, tented both sides, 43 vias
v7: diameter 10, hole 4, L5_GND to BOTTOM, tented both sides, 31 vias

## Nets (pads, with @x,y where several pads share a name; then routed paths per layer and width w, separated by ;. In a path a pad name is that pad's centre, name@x,y a point inside that pad or via, vN(x,y) a via of type N, cw(c..) or ccw(c..) an arc to the next point about the centre after c; other vN are vias at no path point)
1V8_CODEC: C5.1 C72.1 C73.1 C74.1 C77.1 SB19.2 U18.5 U18.12 U18.27 | length 1337.8
  TOP w20: v1(880,2014) C5.1@880,2045 936,2101 1251,2101 1275,2077 v1(1275,1995)
  L3_SIG w20: v1(880,2014) 880,1906 986,1800 v1(1025,1800)
  BOTTOM w10: C72.1@880,2045 885,2045 929.84,2000.16 U18.12@969.72,2000.16 ; C77.1@1050,1830 1055.16,1835.16 U18.5@1055.16,1914.72 ; U18.27@1160.28,2039.53 1182.4,2039.53 1192.87,2050 1220,2050 C73.1@1245,2025
  BOTTOM w15: v1(1025,1800) 1025,1805 C77.1@1050,1830
  BOTTOM w20: SB19.2@880,1975 v1(880,2014) C72.1@880,2045 ; C74.1@1245,1955 1245,1965 v1(1275,1995) C73.1@1245,2025
1V8_OUT: C41.1 JP5.3 L3.2 SB19.1 U13.C2 U24.E3 | length 5413.4
  TOP w20: 3681.98,654 L3.2@3740,654 ; 3740,688.52 L3.2@3740,654 ; 3798.02,654 L3.2@3740,654 ; 3819.08,745 C41.1@3838.1,745 ; 3838.1,725.98 C41.1@3838.1,745 ; 3838.1,764.02 C41.1@3838.1,745 ; 3900.08,940 JP5.3@3938.1,940 ; 3938.1,901.98 JP5.3@3938.1,940 ; 3938.1,978.02 JP5.3@3938.1,940 ; 3976.12,940 JP5.3@3938.1,940
  TOP w40: 693,701 636,758 561,758 463,856 463,1894 558,1989 727,1989 ; 3162,672 3265,775 3425,775 3459,809 3459,978 3501,1020 3795,1020 3810,1005 3910,1005
  L3_SIG w40: 739,651 784,606 1290,606 1338,654 1981,654 1982,655 ; 2071,658 2192,658 2202,648 3086,648
  BOTTOM w9: U13.C2@3854.87,575.87 3868.87,575.87 3875,582
  BOTTOM w20: v1(776.99,1992.99) 777,1992.93 802.07,1992.93 SB19.1@820,1975 809,1964 v1(778,1964)
  other v1: 3125,644 3825,660 3125,670 3825,686
  other v2: 701,669 728,693
1V8_SW: L3.1 U13.A1 U24.C3 | length 202.4
  TOP w9: 3820,565 U24.C3@3840.82,565
  TOP w20: 3681.98,576 L3.1@3740,576 ; 3740,541.48 L3.1@3740,576 ; 3798.02,576 L3.1@3740,576
  BOTTOM w10: v6(3810,549) 3814.62,544.38 U13.A1@3839.13,544.38
3V3_LCD: C44.1 CN6.26 R99.2 R130.2 SB20.1 T12.1 T12.2 T12.5 T12.6 | length 4246.6
  TOP w10: CN6.26@2044.44,703.41 2081.59,703.41 2090,695 2090,660 C44.1@2135,615
  TOP w20: R130.2@1935,1725 1935,1745 v1(1950,1760) ; C44.1@2135,615 2170,580 v1(2202,580)
  L3_SIG w20: v1(275,700) 275,625 455,445 455,290 550,195 920,195 1145,420 1653.49,420 1837.49,604 2151,604 2175,580 v1(2202,580)
  BOTTOM w20: 240.18,742.76 T12.6@260.7,742.76 ; 240.18,837.24 T12.1@260.7,837.24 ; 260.7,708.24 T12.6@260.7,742.76 ; 260.7,777.28 T12.6@260.7,742.76 ; 260.7,802.72 T12.1@260.7,837.24 ; 260.7,871.76 T12.1@260.7,837.24 ; 298.1,708.24 T12.5@298.1,742.76 298.1,777.28 ; 298.1,802.72 T12.2@298.1,837.24 298.1,871.76 ; SB20.1@770,1730 980,1730 1005,1705 v1(1040,1705) ; R99.2@905,1515 905,1590 945,1630 v1(1035,1630) ; v1(2202,580) 2202,727 2315,840 v1(2315,1240)
3V3_OUT: C40.1 CN3.6 CN3.12 CN15.4 JP4.1 JP5.1 L2.2 LD1.1 LD2.1 R64.1 R74.1 R75.1 R77.2 R123.1 T12.4 U12.C2 U23.E3 | length 6502.9
  TOP w20: 1464.08,2520 LD1.1@1488.1,2520 ; 1488.1,2567.1 LD1.1@1488.1,2520 ; 1512.12,2520 LD1.1@1488.1,2520 ; 1569.08,2520 LD2.1@1593.1,2520 ; 1593.1,2567.1 LD2.1@1593.1,2520 ; 1617.12,2520 LD2.1@1593.1,2520 ; R123.1@1850,2455 1880,2455 1895,2470 1895,2580 ; R77.2@1980,70 v1(2020,70) ; v1(2555,350) 2555,308.1 R74.1@2568.1,295 ; R75.1@3308.1,295 v1(3308.1,343.9) ; R64.1@3308.1,450 v1(3308.1,483.1) ; 3381.98,654 L2.2@3440,654 ; 3440,688.52 L2.2@3440,654 ; 3498.02,654 L2.2@3440,654 ; 3535.98,755 C40.1@3555,755 ; 3555,735.98 C40.1@3555,755 ; 3555,774.02 C40.1@3555,755 ; 3700.08,940 JP5.1@3738.1,940 ; 3738.1,901.98 JP5.1@3738.1,940 ; 3738.1,978.02 JP5.1@3738.1,940 ; 3776.12,940 JP5.1@3738.1,940
  TOP w40: 1645,2580 1895,2580 3000,2580 3040,2540 3040,2480 3095,2425 3395,2425 3605,2215 3645,2215 3671,2189
  L4_VCC w20: 3030.08,940 JP4.1@3068.1,940 ; 3068.1,901.98 JP4.1@3068.1,940 ; 3068.1,978.02 JP4.1@3068.1,940 ; 3106.12,940 JP4.1@3068.1,940 ; 3700.08,940 JP5.1@3738.1,940 ; 3738.1,901.98 JP5.1@3738.1,940 ; 3738.1,978.02 JP5.1@3738.1,940 ; 4580.08,1740 CN3.6@4618.1,1740 ; 4618.1,1701.98 CN3.6@4618.1,1740 ; 4618.1,1778.02 CN3.6@4618.1,1740 ; 4656.12,1740 CN3.6@4618.1,1740 ; 4680.08,1740 CN3.12@4718.1,1740 ; 4718.1,1701.98 CN3.12@4718.1,1740 ; 4718.1,1778.02 CN3.12@4718.1,1740 ; 4756.12,1740 CN3.12@4718.1,1740
  BOTTOM w9: U12.C2@3577.87,572.87 3595.87,572.87 3600,577
  BOTTOM w20: 335.5,708.24 T12.4@335.5,742.76 ; 335.5,777.28 T12.4@335.5,742.76 ; 356.02,742.76 T12.4@335.5,742.76 ; v1(2735,513) 2753.1,494.9 CN15.4@2753.1,430

## Text inside footprints (layer, text, board x,y; h text height)
U5: DXF_0731 "D13" at 2917.96,1306.89 h16 r270; DXF_0731 "E13" at 2898.27,1306.89 h16 r270; DXF_0731 "K3" at 2806.24,1503.74 h16 r270; DXF_0731 "L3" at 2786.56,1503.74 h16 r270; DXF_0731 "E2" at 2904.67,1523.43 h16 r270; DXF_0731 "E12" at 2898.27,1326.57 h16 r270; DXF_0731 "G1" at 2865.3,1543.11 h16 r270; DXF_0731 "F1" at 2884.99,1543.11 h16 r270; DXF_0731 "N9" at 2747.19,1385.63 h16 r270; DXF_0731 "D3" at 2924.36,1503.74 h16 r270; DXF_0731 "D1" at 2924.36,1543.11 h16 r270; DXF_0731 "F5" at 2884.99,1464.37 h16 r270; DXF_0731 "F4" at 2884.99,1484.06 h16 r270; DXF_0731 "F3" at 2884.99,1503.74 h16 r270; DXF_0731 "G3" at 2865.3,1503.74 h16 r270; DXF_0731 "G4" at 2865.3,1484.06 h16 r270; DXF_0731 "G5" at 2865.3,1464.37 h16 r270; DXF_0731 "N6" at 2747.19,1444.69 h16 r270; DXF_0731 "M6" at 2766.87,1444.69 h16 r270; DXF_0731 "L6" at 2786.56,1444.69 h16 r270; DXF_0731 "K6" at 2806.24,1444.69 h16 r270; DXF_0731 "J6" at 2825.93,1444.69 h16 r270; DXF_0731 "H6" at 2845.61,1444.69 h16 r270; DXF_0731 "J12" at 2819.53,1326.57 h16 r270; DXF_0731 "J11" at 2819.53,1346.26 h16 r270; DXF_0731 "J10" at 2819.53,1365.94 h16 r270; DXF_0731 "J9" at 2825.93,1385.63 h16 r270; DXF_0731 "K12" at 2799.84,1326.57 h16 r270; DXF_0731 "K11" at 2799.84,1346.26 h16 r270; DXF_0731 "K13" at 2799.84,1306.89 h16 r270; DXF_0731 "F10" at 2878.59,1365.94 h16 r270; DXF_0731 "F9" at 2884.99,1385.63 h16 r270; DXF_0731 "N1" at 2747.19,1543.11 h16 r270; DXF_0731 "E7" at 2904.67,1425 h16 r270; DXF_0731 "A6" at 2983.41,1444.69 h16 r270; DXF_0731 "A11" at 2977.01,1346.26 h16 r270; DXF_0731 "A10" at 2977.01,1365.94 h16 r270; DXF_0731 "E9" at 2904.67,1385.63 h16 r270; DXF_0731 "D9" at 2924.36,1385.63 h16 r270; DXF_0731 "G9" at 2865.3,1385.63 h16 r270; DXF_0731 "G10" at 2858.9,1365.94 h16 r270; DXF_0731 "D8" at 2924.36,1405.31 h16 r270; DXF_0731 "F8" at 2884.99,1405.31 h16 r270; DXF_0731 "M4" at 2766.87,1484.06 h16 r270; DXF_0731 "L4" at 2786.56,1484.06 h16 r270; DXF_0731 "K5" at 2806.24,1464.37 h16 r270; DXF_0731 "L5" at 2786.56,1464.37 h16 r270; DXF_0731 "H8" at 2845.61,1405.31 h16 r270; DXF_0731 "M2" at 2766.87,1523.43 h16 r270; DXF_0731 "D7" at 2924.36,1425 h16 r270; DXF_0731 "C7" at 2944.04,1425 h16 r270; DXF_0731 "B7" at 2963.73,1425 h16 r270; DXF_0731 "B4" at 2963.73,1484.06 h16 r270; DXF_0731 "A4" at 2983.41,1484.06 h16 r270; DXF_0731 "M12" at 2760.47,1326.57 h16 r270; DXF_0731 "B10" at 2957.33,1365.94 h16 r270; DXF_0731 "B11" at 2957.33,1346.26 h16 r270; DXF_0731 "C5" at 2944.04,1464.37 h16 r270; DXF_0731 "D6" at 2924.36,1444.69 h16 r270; DXF_0731 "F6" at 2884.99,1444.69 h16 r270; DXF_0731 "E6" at 2904.67,1444.69 h16 r270; DXF_0731 "N5" at 2747.19,1464.37 h16 r270; DXF_0731 "C10" at 2937.64,1365.94 h16 r270; DXF_0731 "E8" at 2904.67,1405.31 h16 r270; DXF_0731 "D5" at 2924.36,1464.37 h16 r270; DXF_0731 "C4" at 2944.04,1484.06 h16 r270; DXF_0731 "J1" at 2825.93,1543.11 h16 r270; DXF_0731 "E11" at 2898.27,1346.26 h16 r270; DXF_0731 "J5" at 2825.93,1464.37 h16 r270; DXF_0731 "N13" at 2740.79,1306.89 h16 r270; DXF_0731 "D12" at 2917.96,1326.57 h16 r270; DXF_0731 "H1" at 2845.61,1543.11 h16 r270; DXF_0731 "F7" at 2884.99,1425 h16 r270; DXF_0731 "A12" at 2977.01,1326.57 h16 r270; DXF_0731 "C11" at 2937.64,1346.26 h16 r270; DXF_0731 "E1" at 2904.67,1543.11 h16 r270; DXF_0731 "M5" at 2766.87,1464.37 h16 r270; DXF_0731 "B1" at 2963.73,1543.11 h16 r270; DXF_0731 "A1" at 2983.41,1543.11 h16 r270; DXF_0731 "G12" at 2858.9,1326.57 h16 r270; DXF_0731 "J4" at 2825.93,1484.06 h16 r270; DXF_0731 "N12" at 2740.79,1326.57 h16 r270; DXF_0731 "E10" at 2898.27,1365.94 h16 r270; DXF_0731 "L9" at 2786.56,1385.63 h16 r270; DXF_0731 "H3" at 2845.61,1503.74 h16 r270; DXF_0731 "N10" at 2740.79,1365.94 h16 r270; DXF_0731 "G8" at 2865.3,1405.31 h16 r270; DXF_0731 "G6" at 2865.3,1444.69 h16 r270; DXF_0731 "M13" at 2760.47,1306.89 h16 r270; DXF_0731 "K9" at 2806.24,1385.63 h16 r270; DXF_0731 "D2" at 2924.36,1523.43 h16 r270; DXF_0731 "E3" at 2904.67,1503.74 h16 r270; DXF_0731 "F11" at 2878.59,1346.26 h16 r270; DXF_0731 "K4" at 2806.24,1484.06 h16 r270; DXF_0731 "A5" at 2983.41,1464.37 h16 r270; DXF_0731 "B5" at 2963.73,1464.37 h16 r270; DXF_0731 "A9" at 2983.41,1385.63 h16 r270; DXF_0731 "C9" at 2944.04,1385.63 h16 r270; DXF_0731 "C6" at 2944.04,1444.69 h16 r270; DXF_0731 "G11" at 2858.9,1346.26 h16 r270; DXF_0731 "B9" at 2963.73,1385.63 h16 r270; DXF_0731 "D4" at 2924.36,1484.06 h16 r270; DXF_0731 "C3" at 2944.04,1503.74 h16 r270; DXF_0731 "B12" at 2957.33,1326.57 h16 r270; DXF_0731 "G7" at 2865.3,1425 h16 r270; DXF_0731 "H10" at 2839.21,1365.94 h16 r270; DXF_0731 "H9" at 2845.61,1385.63 h16 r270; DXF_0731 "J2" at 2825.93,1523.43 h16 r270; DXF_0731 "N2" at 2747.19,1523.43 h16 r270; DXF_0731 "H4" at 2845.61,1484.06 h16 r270; DXF_0731 "K1" at 2806.24,1543.11 h16 r270; DXF_0731 "J3" at 2825.93,1503.74 h16 r270; DXF_0731 "H5" at 2845.61,1464.37 h16 r270; DXF_0731 "A2" at 2983.41,1523.43 h16 r270; DXF_0731 "M10" at 2760.47,1365.94 h16 r270; DXF_0731 "A13" at 2977.01,1306.89 h16 r270; DXF_0731 "B13" at 2957.33,1306.89 h16 r270; DXF_0731 "E4" at 2904.67,1484.06 h16 r270; DXF_0731 "B2" at 2963.73,1523.43 h16 r270; DXF_0731 "D10" at 2917.96,1365.94 h16 r270; DXF_0731 "M9" at 2766.87,1385.63 h16 r270; DXF_0731 "D11" at 2917.96,1346.26 h16 r270; DXF_0731 "N4" at 2747.19,1484.06 h16 r270; DXF_0731 "M7" at 2766.87,1425 h16 r270; DXF_0731 "F13" at 2878.59,1306.89 h16 r270; DXF_0731 "L13" at 2780.16,1306.89 h16 r270; DXF_0731 "M11" at 2760.47,1346.26 h16 r270; DXF_0731 "A7" at 2983.41,1425 h16 r270; DXF_0731 "C12" at 2937.64,1326.57 h16 r270; DXF_0731 "H12" at 2839.21,1326.57 h16 r270; DXF_0731 "K2" at 2806.24,1523.43 h16 r270; DXF_0731 "M3" at 2766.87,1503.74 h16 r270; DXF_0731 "H2" at 2845.61,1523.43 h16 r270; DXF_0731 "F2" at 2884.99,1523.43 h16 r270; DXF_0731 "C2" at 2944.04,1523.43 h16 r270; DXF_0731 "B3" at 2963.73,1503.74 h16 r270; DXF_0731 "M1" at 2766.87,1543.11 h16 r270; DXF_0731 "K10" at 2799.84,1365.94 h16 r270; DXF_0731 "H11" at 2839.21,1346.26 h16 r270; DXF_0731 "B8" at 2963.73,1405.31 h16 r270; DXF_0731 "C8" at 2944.04,1405.31 h16 r270; DXF_0731 "L7" at 2786.56,1425 h16 r270; DXF_0731 "K7" at 2806.24,1425 h16 r270; DXF_0731 "J7" at 2825.93,1425 h16 r270; DXF_0731 "H7" at 2845.61,1425 h16 r270; DXF_0731 "N8" at 2747.19,1405.31 h16 r270; DXF_0731 "M8" at 2766.87,1405.31 h16 r270; DXF_0731 "L8" at 2786.56,1405.31 h16 r270; DXF_0731 "K8" at 2806.24,1405.31 h16 r270; DXF_0731 "J8" at 2825.93,1405.31 h16 r270; DXF_0731 "L11" at 2780.16,1346.26 h16 r270; DXF_0731 "L10" at 2780.16,1365.94 h16 r270; DXF_0731 "J13" at 2819.53,1306.89 h16 r270; DXF_0731 "E5" at 2904.67,1464.37 h16 r270; DXF_0731 "N11" at 2740.79,1346.26 h16 r270; DXF_0731 "L12" at 2780.16,1326.57 h16 r270; DXF_0731 "H13" at 2839.21,1306.89 h16 r270; DXF_0731 "F12" at 2878.59,1326.57 h16 r270; DXF_0731 "G13" at 2858.9,1306.89 h16 r270; DXF_0731 "C13" at 2937.64,1306.89 h16 r270; DXF_0731 "N7" at 2747.19,1425 h16 r270; DXF_0731 "A8" at 2983.41,1405.31 h16 r270; DXF_0731 "B6" at 2963.73,1444.69 h16 r270; DXF_0731 "N3" at 2747.19,1503.74 h16 r270; DXF_0731 "G2" at 2865.3,1523.43 h16 r270; DXF_0731 "A3" at 2983.41,1503.74 h16 r270; DXF_0731 "C1" at 2944.04,1543.11 h16 r270; DXF_0731 "L2" at 2786.56,1523.43 h16 r270; DXF_0731 "L1" at 2786.56,1543.11 h16 r270; DXF_0731 "Ref PN: ***" at 3410.14,1606.24 h25 r270; DXF_0731 "Creat : Ziv" at 3370.14,1606.24 h25 r270; DXF_0731 "Date  : 2016-05-27" at 3330.14,1606.24 h25 r270; DXF_0731 "Rev   : A1" at 3290.14,1606.24 h25 r270; DXF_0731 "Remark: D031-023A1" at 3250.14,1606.24 h25 r270; DXF_0731 "Sofer Lib Information" at 3460.14,1636.24 h25 r270; DXF_0731 "NO" at 2850.1,1425 h35 r270; DXF_0731 "FBGA169_0R5_7X7" at 2473.1,1420 h30 r270; DXF_0731 "0.5" at 3025.1,1423 h16 r270; DXF_0731 "0.5" at 2870.1,1603 h16 r270; DXF_0731 "7" at 3065.1,1421 h16 r270; DXF_0731 "7" at 2870.1,1626 h16 r270; Top Overlay "1" at 3033.1,1555 h25 r270; Top Overlay "13" at 3033.1,1325 h25 r270; Top Overlay "A" at 2988.1,1595 h25 r270; Top Overlay "N" at 2753.1,1595 h25 r270
U6: DXF_0731 "20" at 4240.83,1213.74 h16; DXF_0731 "3" at 4046.44,1453.9 h16; DXF_0731 "2" at 4046.44,1473.58 h16; DXF_0731 "39" at 4280.2,1556.26 h16; DXF_0731 "44" at 4181.77,1556.26 h16; DXF_0731 "13" at 4103.03,1213.74 h16; DXF_0731 "12" at 4040.04,1276.73 h16; DXF_0731 "37" at 4319.57,1556.26 h16; DXF_0731 "34" at 4382.56,1453.9 h16; DXF_0731 "19" at 4221.14,1213.74 h16; DXF_0731 "26" at 4382.56,1296.42 h16; DXF_0731 "15" at 4142.4,1213.74 h16; DXF_0731 "17" at 4181.77,1213.74 h16; DXF_0731 "16" at 4162.09,1213.74 h16; DXF_0731 "27" at 4382.56,1316.1 h16; DXF_0731 "18" at 4201.46,1213.74 h16; DXF_0731 "25" at 4382.56,1276.73 h16; DXF_0731 "31" at 4382.56,1394.84 h16; DXF_0731 "11" at 4040.04,1296.42 h16; DXF_0731 "4" at 4046.44,1434.21 h16; DXF_0731 "14" at 4122.72,1213.74 h16; DXF_0731 "46" at 4142.4,1556.26 h16; DXF_0731 "45" at 4162.09,1556.26 h16; DXF_0731 "43" at 4201.46,1556.26 h16; DXF_0731 "42" at 4221.14,1556.26 h16; DXF_0731 "41" at 4240.83,1556.26 h16; DXF_0731 "21" at 4260.51,1213.74 h16; DXF_0731 "40" at 4260.51,1556.26 h16; DXF_0731 "22" at 4280.2,1213.74 h16; DXF_0731 "9" at 4046.44,1335.79 h16; DXF_0731 "24" at 4319.57,1213.74 h16; DXF_0731 "1" at 4046.44,1493.27 h16; DXF_0731 "48" at 4103.03,1556.26 h16; DXF_0731 "36" at 4382.56,1493.27 h16; DXF_0731 "28" at 4382.56,1335.79 h16; DXF_0731 "38" at 4299.88,1556.26 h16; DXF_0731 "8" at 4046.44,1355.47 h16; DXF_0731 "23" at 4299.88,1213.74 h16; DXF_0731 "35" at 4382.56,1473.58 h16; DXF_0731 "47" at 4122.72,1556.26 h16; DXF_0731 "10" at 4040.04,1316.1 h16; DXF_0731 "30" at 4382.56,1375.16 h16; DXF_0731 "29" at 4382.56,1355.47 h16; DXF_0731 "5" at 4046.44,1414.53 h16; DXF_0731 "6" at 4046.44,1394.84 h16; DXF_0731 "32" at 4382.56,1414.53 h16; DXF_0731 "33" at 4382.56,1434.21 h16; DXF_0731 "7" at 4046.44,1375.16 h16; DXF_0731 "LQFP48_0R5_9X9" at 4057.1,1066 h30; DXF_0731 "Approved" at 4112.1,1385 h35; DXF_0731 "Sofer Lib Information" at 4023.1,1857 h25; DXF_0731 "Ref PN: RTL8211CL-GR" at 4053.1,1807 h25; DXF_0731 "Creat : Yuki" at 4053.1,1767 h25; DXF_0731 "Date  : 2007-11-27" at 4053.1,1727 h25; DXF_0731 "Rev   : B1" at 4053.1,1687 h25; DXF_0731 "Remark: ***" at 4053.1,1647 h25; DXF_0731 "0.5" at 3967.1,1414 h16; DXF_0731 "9" at 4224.1,1130 h16; DXF_0731 "9" at 3928.1,1368 h16; Top Overlay "48" at 4060,1570 h25; Top Overlay "37" at 4314.1,1595 h25; Top Overlay "36" at 4429.1,1490 h25; Top Overlay "25" at 4429.1,1265 h25; Top Overlay "24" at 4355,1195 h25; Top Overlay "13" at 4060,1195 h25; Top Overlay "12" at 4005,1235 h25
U7: DXF_0731 "5" at 3408.6,1204.8 h16 r180; DXF_0731 "1" at 3558.6,1406.4 h16 r180; DXF_0731 "2" at 3508.6,1406.4 h16 r180; DXF_0731 "8" at 3558.6,1204.8 h16 r180; DXF_0731 "3" at 3458.6,1406.4 h16 r180; DXF_0731 "4" at 3408.6,1406.4 h16 r180; DXF_0731 "6" at 3458.6,1204.8 h16 r180; DXF_0731 "7" at 3508.6,1204.8 h16 r180; DXF_0731 "Creat : Yuki" at 3685,993.1 h25 r180; DXF_0731 "Sofer Lib Information" at 3715,903.1 h25 r180; DXF_0731 "Ref PN: AD820BR" at 3685,953.1 h25 r180; DXF_0731 "Date  : 2011-01-14" at 3685,1033.1 h25 r180; DXF_0731 "Rev   : C1" at 3685,1073.1 h25 r180; DXF_0731 "Remark: ADD INSIDE PAD LENGTH" at 3685,1113.1 h25 r180; DXF_0731 "Approved" at 3373,1303.1 h35 r180; DXF_0731 "SOIC8_1R27_4R9X6" at 3273,1578.1 h30 r180; DXF_0731 "1.27" at 3409,1486.1 h16 r180; DXF_0731 "4.9" at 3508,1521.1 h16 r180; DXF_0731 "6" at 3331,1321.1 h16 r180